# KiCad board dizzy40.kicad_pcb
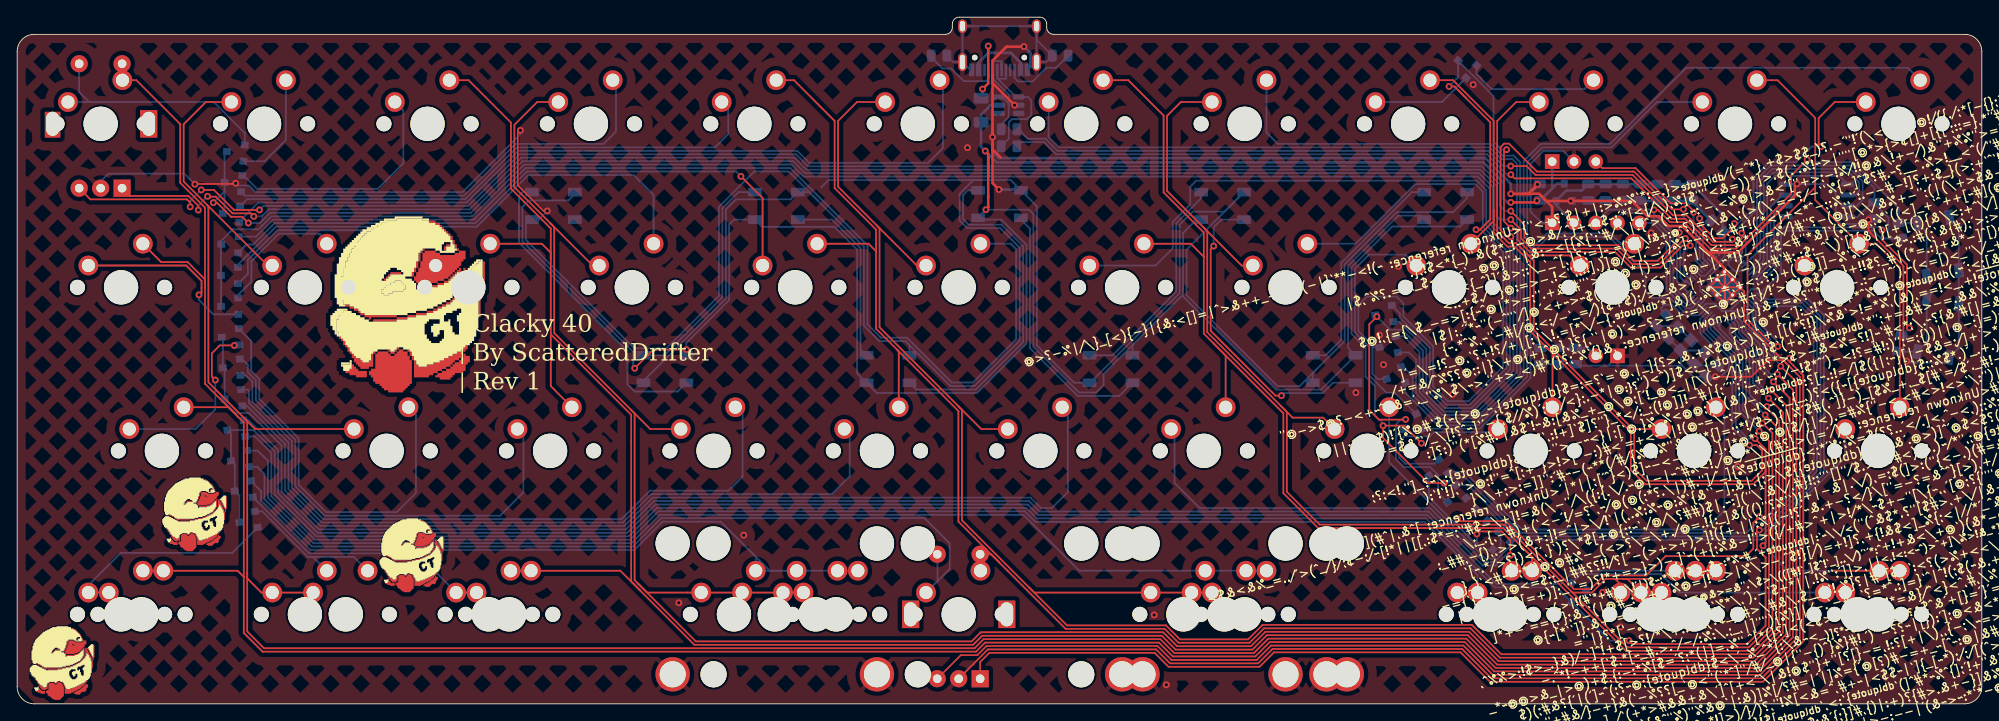
[diagram p0: board, top side]
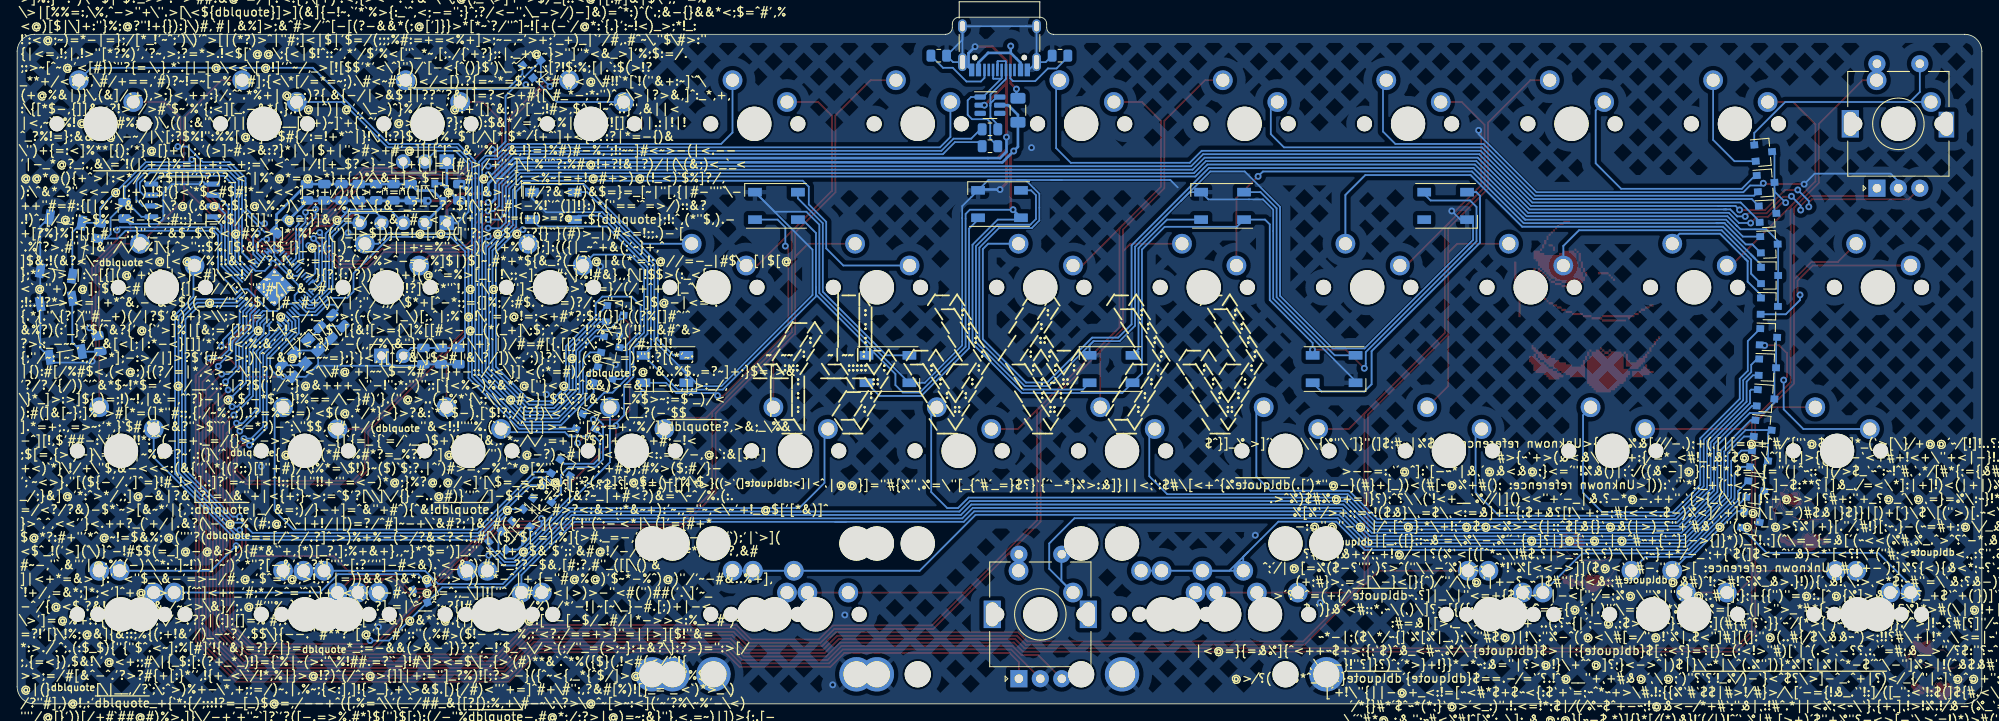
[diagram p1: board, bottom side, seen from below]

Outline 229 x 80 mm; copper layers: Top, Bottom. Coordinates in mm from the lower left corner of the outline.
Outline path: 0,76 arc(0.59,77.41) 2,78 108.2,78 arc(108.77,78.23) 109,78.8 109,79.2 arc(109.23,79.77) 109.8,80 119.2,80 arc(119.77,79.77) 120,79.2 120,78.8 arc(120.23,78.23) 120.8,78 227,78 arc(228.41,77.41) 229,76 229,2 arc(228.41,0.59) 227,0 2,0 arc(0.59,0.59) 0,2 0,76
Stack: Top 0.035mm / dielectric 1.51mm FR4 er 4.5 / Bottom 0.035mm

## Placement (name value [footprint] x y rotation side)
C1  10u  [C_0805_2012Metric]  177.47 59.61 90 bottom
C2  22pf  [C_0805_2012Metric]  197.52 38.78 225 bottom
C3  22pf  [C_0805_2012Metric]  193.06 43.24 225 bottom
C4  10u  [C_0805_2012Metric]  185.14 59.61 270 bottom
C5  100n  [C_0805_2012Metric]  216.49 57.5 270 bottom
C6  100n  [C_0805_2012Metric]  179.6 40.52 270 bottom
C7  100n  [C_0805_2012Metric]  177.56 40.52 270 bottom
C8  1u  [C_0805_2012Metric]  181.65 40.52 270 bottom
C9  100n  [C_0805_2012Metric]  195.22 59.61 270 bottom
C10  1u  [C_0805_2012Metric]  198.1 55.62 135 bottom
C11  100n  [C_0805_2012Metric]  189.18 59.61 270 bottom
C12  100n  [C_0805_2012Metric]  187.16 59.61 270 bottom
C13  100n  [C_0805_2012Metric]  191.19 59.61 270 bottom
C14  100n  [C_0805_2012Metric]  193.2 59.61 270 bottom
C17  10u  [C_0805_2012Metric]  183.12 59.61 270 bottom
D17  BAV70  [SOT-23]  25.45 64.25 175 bottom
D18  BAV70  [SOT-23]  25.17 60.68 176 bottom
D19  BAV70  [SOT-23]  24.95 57.1 177 bottom
D20  BAV70  [SOT-23]  159.79 41.71 190 bottom
D21  BAV70  [SOT-23#2]  168.73 74.29 140 bottom
D22  BAV70  [SOT-23]  160.59 38.1 195 bottom
D23  BAV70  [SOT-23]  24.77 46.32 181 bottom
D24  BAV70  [SOT-23]  24.74 49.91 180 bottom
D25  BAV70  [SOT-23]  24.8 53.52 178 bottom
D26  BAV70  [SOT-23]  159.31 45.37 185 bottom
D27  BAV70  [SOT-23]  162.56 32.49 205 bottom
D28  BAV70  [SOT-23]  167.53 24.12 218 bottom
D29  BAV70  [SOT-23]  24.86 42.74 182 bottom
D30  BAV70  [SOT-23]  24.98 39.19 182 bottom
D31  BAV70  [SOT-23]  25.18 35.59 184 bottom
D32  BAV70  [SOT-23#2]  172.65 18.74 230 bottom
D33  BAV70  [SOT-23]  165.38 27.12 213 bottom
D34  BAV70  [SOT-23]  169.93 21.31 223 bottom
D35  BAV70  [SOT-23]  26.89 21.32 190 bottom
D36  BAV70  [SOT-23]  26.35 24.91 187 bottom
D37  BAV70  [SOT-23]  25.91 28.44 187 bottom
D38  BAV70  [SOT-23]  25.5 31.99 186 bottom
D39  BAV70  [SOT-23]  181.61 12.74 245 bottom
ENC1  RotaryEncoder_Switch  [RotaryEncoder_Alps_EC11E-Switch_Vertical_H20mm#2]  9.73 67.58 90 bottom
ENC2  RotaryEncoder_Switch  [RotaryEncoder_Alps_EC11E-Switch_Vertical_H20mm]  109.74 10.43 90 bottom
F0  polyfuse  [Fuse_1206_3216Metric]  112.35 69.16 270 bottom
J0  USB_C_Receptacle_USB2.0  [USB_C_Receptacle_HRO_TYPE-C-31-M-12]  114.5 77.9 0 bottom
J1  BREAKOUT  [PinSocket_1x05_P2.54mm_Vertical]  178.92 56.04 270 bottom
J2  Conn_01x03_Male  [PinSocket_1x03_P2.54mm_Vertical]  178.92 63.18 270 bottom
J3  Screw_Terminal_01x02  [STAB_MX_P_2u]  88.31 10.43 180 top
J4  Breakout 1.1v  [PinSocket_1x02_P2.54mm_Vertical]  186.54 40.54 90 bottom
J5  Screw_Terminal_01x02  [STAB_MX_P_2u#2]  93.07 10.43 180 top
J6  Screw_Terminal_01x02  [STAB_MX_P_2u#3]  135.94 10.43 180 top
J7  Screw_Terminal_01x02  [STAB_MX_P_2u]  140.7 10.43 180 top
J8  Screw_Terminal_01x02  [STAB_MX_P_2u]  143.08 10.43 180 top
K1  KEYSW  [SW_MX_1u]  9.73 67.58 0 top
K2  KEYSW  [SW_MX_1u]  28.78 67.58 0 top
K3  KEYSW  [SW_MX_1u]  47.83 67.58 0 top
K4  KEYSW  [SW_MX_1u]  66.88 67.58 0 top
K5  KEYSW  [SW_MX_1u]  85.93 67.58 0 top
K6  KEYSW  [SW_MX_1u]  104.98 67.58 0 top
K7  KEYSW  [SW_MX_1u]  124.03 67.58 0 top
K8  KEYSW  [SW_MX_1u]  143.08 67.58 0 top
K9  KEYSW  [SW_MX_1u]  162.13 67.58 0 top
K10  KEYSW  [SW_MX_1u]  181.18 67.58 0 top
K11  KEYSW  [SW_MX_1u]  200.23 67.58 0 top
K12  KEYSW  [SW_MX_1u]  12.11 48.53 0 top
K13  KEYSW  [SW_MX_1u]  33.54 48.53 0 top
K14  KEYSW  [SW_MX_1u]  52.59 48.53 0 top
K15  KEYSW  [SW_MX_1u]  71.64 48.53 0 top
K16  KEYSW  [SW_MX_1u]  90.69 48.53 0 top
K17  KEYSW  [SW_MX_1u]  109.74 48.53 0 top
K18  KEYSW  [SW_MX_1u]  128.79 48.53 0 top
K19  KEYSW  [SW_MX_1u]  147.84 48.53 0 top
K20  KEYSW  [SW_MX_1u]  166.89 48.53 0 top
K21  KEYSW  [SW_MX_1u]  185.94 48.53 0 top
K22  KEYSW  [SW_MX_1u]  212.14 48.53 0 top
K23  KEYSW  [SW_MX_1u]  16.87 29.48 0 top
K24  KEYSW  [SW_MX_1u]  43.07 29.48 0 top
K25  KEYSW  [SW_MX_1u]  62.12 29.48 0 top
K26  KEYSW  [SW_MX_1u]  81.17 29.48 0 top
K27  KEYSW  [SW_MX_1u]  100.22 29.48 0 top
K28  KEYSW  [SW_MX_1u]  119.27 29.48 0 top
K29  KEYSW  [SW_MX_1u]  138.32 29.48 0 top
K30  KEYSW  [SW_MX_1u]  157.37 29.48 0 top
K31  KEYSW  [SW_MX_1u]  176.42 29.48 0 top
K32  KEYSW  [SW_MX_1u]  195.47 29.48 0 top
K33  KEYSW  [SW_MX_1u]  216.9 29.48 0 top
K34  KEYSW  [SW_MX_1u]  12.11 10.43 0 top
K35  KEYSW  [SW_MX_1u]  33.54 10.43 0 top
K36  KEYSW  [SW_MX_1u]  57.35 10.43 0 top
K37  KEYSW  [SW_MX_1u]  83.55 10.43 0 top
K38  KEYSW  [SW_MX_1u]  109.74 10.43 0 top
K39  KEYSW  [SW_MX_1u]  135.94 10.43 0 top
K40  KEYSW  [SW_MX_1u]  174.04 10.43 0 top
K41  KEYSW  [SW_MX_1u]  193.09 10.43 0 top
K42  KEYSW  [SW_MX_1u]  216.9 10.43 0 top
K45  KEYSW  [SW_MX_1u]  95.45 10.43 0 top
K46  KEYSW  [SW_MX_1u]  88.31 10.43 0 top
K49  KEYSW  [SW_MX_1u]  214.52 10.43 0 top
K50  KEYSW  [SW_MX_1u]  190.7 10.43 0 top
K51  KEYSW  [SW_MX_1u]  14.49 10.43 0 top
K52  KEYSW  [SW_MX_1u]  38.3 10.43 0 top
K53  KEYSW  [SW_MX_1u]  54.97 10.43 0 top
K54  KEYSW  [SW_MX_1u]  93.07 10.43 0 top
K55  KEYSW  [SW_MX_1u]  140.7 10.43 0 top
K56  KEYSW  [SW_MX_1u]  171.65 10.43 0 top
K57  KEYSW  [SW_MX_1u]  143.08 10.43 0 top
K58  KEYSW  [SW_MX_1u]  195.47 10.43 0 top
K59  KEYSW  [SW_MX_1u]  219.28 67.58 0 top
R1  1k  [R_0805_2012Metric]  219.46 41.97 260 bottom
R3  27  [R_0805_2012Metric]  115.61 64.97 0 bottom
R4  27  [R_0805_2012Metric]  115.61 66.94 0 bottom
R5  1k  [R_0805_2012Metric]  191.63 44.65 225 bottom
R6  5.1k  [R_0805_2012Metric]  121.58 75.52 180 bottom
R7  5.1k  [R_0805_2012Metric]  107.45 75.52 0 bottom
R8  10k  [R_0805_2012Metric]  219.48 55.11 280 bottom
REF**  -  [Clacktales_9mm_whiteSilk]  20.7 22.58 0 top
REF**#2  -  [Clacktales_9mm_whiteSilk]  46.02 17.8 0 top
REF**#3  -  [Clacktales_9mm_whiteSilk]  5.25 5.25 0 top
REF**#4  Clacktales_21mm_blackSilk  [Clacktales_21mm_whiteSilk_withoutOutline]  46.25 47.04 0 top
RGB1  WS2812B  [LED_WS2812B-PLCC4]  166.5 58.02 0 bottom
RGB2  WS2812B  [LED_WS2812B-PLCC4]  153.5 39.01 180 bottom
RGB3  WS2812B  [LED_WS2812B-PLCC4]  140.5 58.02 0 bottom
RGB4  WS2812B  [LED_WS2812B-PLCC4]  127.5 39.01 180 bottom
RGB5  WS2812B  [LED_WS2812B-PLCC4]  114.5 58.23 0 bottom
RGB6  WS2812B  [LED_WS2812B-PLCC4]  101.5 39.01 0 bottom
RGB7  WS2812B  [LED_WS2812B-PLCC4]  88.5 58.02 0 bottom
RGB8  WS2812B  [LED_WS2812B-PLCC4]  75.5 39.01 180 bottom
RGB9  WS2812B  [LED_WS2812B-PLCC4]  62.5 58.02 180 bottom
SW0  RESET  [SW_SPST_TL3342]  223.89 43.8 80 bottom
SW2  RESET  [SW_SPST_TL3342]  223.89 53.27 100 bottom
U2  W25Q128JVS  [SOIC-8_5.23x5.23mm_P1.27mm]  209.75 58.65 0 bottom
U3  RP2040  [RP2040-QFN-56]  199.02 48.53 135 bottom
U4  XC6206P Smaller footprint, less mA ~.5  [SOT-23]  180.32 59.61 90 bottom
U44  SRV05-4  [SOT-23-6]  115.61 69.75 180 bottom
Y0  12MHZ Crystal  [Crystal_SMD_3225-4Pin_3.2x2.5mm]  195.29 41.01 315 bottom

## Library data of the parts
C1 C4 C17 = -: Description: Unpolarized capacitor; LCSC: C91245
C2 C3 = -: Description: Unpolarized capacitor; LCSC: C1804
C5-C7 C9 C11-C14 = -: Description: Unpolarized capacitor; LCSC: C49678
C8 C10 = -: Description: Unpolarized capacitor; LCSC: C28323
D17-D39 = -: Description: Dual 100V 215mA high-speed switching diodes, common cathode, SOT-23
ENC1 ENC2 = -: Description: Rotary encoder, dual channel, incremental quadrate outputs, with switch
F0 = -: Description: Resettable fuse, polymeric positive temperature coefficient, small symbol; LCSC: C69688
J0 = -: Description: USB 2.0-only Type-C Receptacle connector; LCSC: C165948
J1 = -: Description: Generic connector, single row, 01x05, script generated (kicad-library-utils/schlib/autogen/connector/)
J2 = -: Description: Generic connector, single row, 01x03, script generated (kicad-library-utils/schlib/autogen/connector/)
J3 J5-J8 = -: Description: Generic screw terminal, single row, 01x02, script generated (kicad-library-utils/schlib/autogen/connector/)
J4 = -: Description: Generic connector, single row, 01x02, script generated (kicad-library-utils/schlib/autogen/connector/)
R1 R5 = -: Description: Resistor; LCSC: C115316
R3 R4 = -: Description: Resistor; LCSC: C104170
R6 R7 = -: Description: Resistor, small symbol; LCSC: C27834
R8 = -: Description: Resistor; LCSC: C115309
RGB1-RGB9 = -: Description: RGB LED with integrated controller; LCSC: C965555
SW0 = -: LCSC: C2886894
SW2 = -: Description: Push button switch, generic, two pins; LCSC: C2886894
U2 = -: Description: 128Mb Serial Flash Memory, Standard/Dual/Quad SPI, SOIC-8; LCSC: C97521
U3 = -: LCSC: C2040
U4 = -: Description: Positive 60-250mA Low Dropout Regulator, Fixed Output, SOT-23; LCSC: C347376
U44 = -: Description: ESD Protection Diodes with Low Clamping Voltage, SOT-23-6; LCSC: C85364
Y0 = -: Description: Four pin crystal, GND on pins 2 and 4; LCSC: C9002

## Footprints (pads in the part's own frame, mm; a bottom-side part is the same pattern mirrored in y, then rotated)
C_0805_2012Metric
  rrect 1x1.45 smd: 1(-0.95,0) 2(0.95,0)
Crystal_SMD_3225-4Pin_3.2x2.5mm
  rect 1.4x1.2 smd: 1(-1.1,-0.85) 2(1.1,-0.85) 3(1.1,0.85) 4(-1.1,0.85)
Fuse_1206_3216Metric
  rrect 1.25x1.75 smd: 1(-1.4,0) 2(1.4,0)
LED_WS2812B-PLCC4
  rect 1.6x1 smd: 1(-2.5,1.6) 2(-2.5,-1.6) 3(2.5,-1.6) 4(2.5,1.6)
PinSocket_1x02_P2.54mm_Vertical
  rect 1.7x1.7 hole 1: 1(0,0)
  oval 1.7x1.7 hole 1: 2(0,-2.54)
PinSocket_1x03_P2.54mm_Vertical
  rect 1.7x1.7 hole 1: 1(0,0)
  oval 1.7x1.7 hole 1: 2(0,-2.54) 3(0,-5.08)
PinSocket_1x05_P2.54mm_Vertical
  rect 1.7x1.7 hole 1: 1(0,0)
  oval 1.7x1.7 hole 1: 2(0,-2.54) 3(0,-5.08) 4(0,-7.62) 5(0,-10.16)
R_0805_2012Metric
  rrect 1.025x1.4 smd: 1(-0.912,0) 2(0.912,0)
RotaryEncoder_Alps_EC11E-Switch_Vertical_H20mm
  rect 2x2 hole 1: A(-7.5,2.5)
  round 2 hole 1: B(-7.5,-2.5) C(-7.5,0) S1(7,-2.5) S2(7,2.5)
  rect 3.2x2 hole 2.8x1.5: MP(0,-5.6) MP(0,5.6)
RotaryEncoder_Alps_EC11E-Switch_Vertical_H20mm#2
  rect 2x2 hole 1: A(-7.5,2.5)
  round 2 hole 1: B(-7.5,-2.5) C(-7.5,0) S1(7,-2.5) S2(7,2.5)
  rect 3x1.8 hole 2.8x1.5: MP(0,-5.6)
  rect 3.2x2 hole 2.8x1.5: MP(0,5.6)
RP2040-QFN-56
  rrect 1.084x1.084 smd: (-0.637,-0.637) (-0.637,0.637) (0.637,-0.637) (0.637,0.637)
  rrect 0.875x0.2 smd: 1(-3.438,2.6) 2(-3.438,2.2) 3(-3.438,1.8) 4(-3.438,1.4) 5(-3.438,1) 6(-3.438,0.6) 7(-3.438,0.2) 8(-3.438,-0.2) 9(-3.438,-0.6) 10(-3.438,-1) 11(-3.438,-1.4) 12(-3.438,-1.8) 13(-3.438,-2.2) 14(-3.438,-2.6) 29(3.438,-2.6) 30(3.438,-2.2) 31(3.438,-1.8) 32(3.438,-1.4) 33(3.438,-1) 34(3.438,-0.6) 35(3.438,-0.2) 36(3.438,0.2) 37(3.438,0.6) 38(3.438,1) 39(3.438,1.4) 40(3.438,1.8) 41(3.438,2.2) 42(3.438,2.6)
  rrect 0.2x0.875 smd: 15(-2.6,-3.438) 16(-2.2,-3.438) 17(-1.8,-3.438) 18(-1.4,-3.438) 19(-1,-3.438) 20(-0.6,-3.438) 21(-0.2,-3.438) 22(0.2,-3.438) 23(0.6,-3.438) 24(1,-3.438) 25(1.4,-3.438) 26(1.8,-3.438) 27(2.2,-3.438) 28(2.6,-3.438) 43(2.6,3.438) 44(2.2,3.438) 45(1.8,3.438) 46(1.4,3.438) 47(1,3.438) 48(0.6,3.438) 49(0.2,3.438) 50(-0.2,3.438) 51(-0.6,3.438) 52(-1,3.438) 53(-1.4,3.438) 54(-1.8,3.438) 55(-2.2,3.438) 56(-2.6,3.438)
  round 0.6 hole 0.35: 57(-1.275,-1.275) 57(-1.275,0) 57(-1.275,1.275) 57(0,-1.275) 57(0,0) 57(0,1.275) 57(1.275,-1.275) 57(1.275,0) 57(1.275,1.275)
  rrect 3.2x3.2 smd: 57(0,0)
SOIC-8_5.23x5.23mm_P1.27mm
  rrect 1.6x0.6 smd: 1(-3.6,1.905) 2(-3.6,0.635) 3(-3.6,-0.635) 4(-3.6,-1.905) 5(3.6,-1.905) 6(3.6,-0.635) 7(3.6,0.635) 8(3.6,1.905)
SOT-23
  rect 0.9x0.8 smd: 1(-1,0.95) 2(-1,-0.95) 3(1,0)
SOT-23#2
  rect 0.9x0.8 smd: 1(-1,0.95) 2(-1,-0.95) 3(1,0)
SOT-23-6
  rrect 1.325x0.6 smd: 1(-1.137,0.95) 2(-1.137,0) 3(-1.137,-0.95) 4(1.137,-0.95) 5(1.137,0) 6(1.137,0.95)
STAB_MX_P_2u
  round 3.988 hole 3.988 unplated: (-11.906,-8.255) (11.906,-8.255)
  round 4 hole 3.048: 1(-11.906,6.985) 2(11.906,6.985)
STAB_MX_P_2u#2
  round 3.048 hole 3.048 unplated: (-11.906,6.985) (11.906,6.985)
  round 3.988 hole 3.988 unplated: (-11.906,-8.255) (11.906,-8.255)
STAB_MX_P_2u#3
  round 3.988 hole 3.988 unplated: (-11.906,-8.255) (11.906,-8.255)
  round 3.048 hole 3.048 unplated: (11.906,6.985)
  round 4 hole 3.048: 1(-11.906,6.985)
SW_MX_1u
  round 1.75 hole 1.75 unplated: (-5.08,0) (5.08,0)
  round 3.988 hole 3.988 unplated: (0,0)
  round 2.3 hole 1.524: 1(-3.81,2.54) 2(2.54,5.08)
SW_SPST_TL3342
  rect 1.7x1 smd: 1(-3.15,1.9) 1(3.15,1.9) 2(-3.15,-1.9) 2(3.15,-1.9)
USB_C_Receptacle_HRO_TYPE-C-31-M-12
  round 0.65 hole 0.65 unplated: (-2.89,2.6) (2.89,2.6)
  rect 0.6x1.45 smd: A1(-3.25,4.045) A4(-2.45,4.045) A9(2.45,4.045) A12(3.25,4.045) B1(3.25,4.045) B4(2.45,4.045) B9(-2.45,4.045) B12(-3.25,4.045)
  rect 0.3x1.45 smd: A5(-1.25,4.045) A6(-0.25,4.045) A7(0.25,4.045) A8(1.25,4.045) B5(1.75,4.045) B6(0.75,4.045) B7(-0.75,4.045) B8(-1.75,4.045)
  oval 1x1.6 hole 0.6x1.2: S1(-4.32,-1.05) S1(4.32,-1.05)
  oval 1x2.1 hole 0.6x1.7: S1(-4.32,3.13) S1(4.32,3.13)

## Nets
+1V1: C6.1 C7.1 C8.1 J4.2 U3.23 U3.45 U3.50
+3V3: C4.1 C5.1 C9.1 C10.1 C11.1 C12.1 C13.1 C14.1 C17.1 J1.2 R8.2 U2.8 U3.1 U3.10 U3.22 U3.33 U3.42 U3.43 U3.44 U3.48 U3.49 U4.2
+5V: C1.1 F0.2 J2.1 RGB1.1 RGB2.1 RGB3.1 RGB4.1 RGB5.1 RGB6.1 RGB7.1 RGB8.1 RGB9.1 U4.3 U44.5
GND: C1.2 C2.2 C3.2 C4.2 C5.2 C6.2 C7.2 C8.2 C9.2 C10.2 C11.2 C12.2 C13.2 C14.2 C17.2 ENC1.C ENC2.C J0.A1 J0.A12 J0.B1 J0.B12 J0.S1 J1.1 J2.2 J3.1 J3.2 J4.1 J6.1 J7.1 J7.2 J8.1 J8.2 R6.2 R7.2 RGB1.3 RGB2.3 RGB3.3 RGB4.3 RGB5.3 RGB6.3 RGB7.3 RGB8.3 RGB9.3 SW0.1 SW2.1 U2.4 U3.19 U3.57 U4.1 U44.2 Y0.2 Y0.4
VBUS: F0.1 J0.A4 J0.A9 J0.B4 J0.B9
/MCU/GPIO26_ADC0: U3.38
/MCU/GPIO27_ADC1: U3.39
/MCU/GPIO28_ADC2: U3.40
/MCU/GPIO29_ADC3: U3.41
/MCU/QSPI_SCLK: U2.6 U3.52
/MCU/QSPI_SD0: U2.5 U3.53
/MCU/QSPI_SD1: U2.2 U3.55
/MCU/QSPI_SD2: U2.3 U3.54
/MCU/QSPI_SD3: U2.7 U3.51
/MCU/QSPI_SS: R1.1 U2.1 U3.56
/MCU/RUN: J1.3 R8.1 SW2.2 U3.26
/MCU/SWCLK: J1.5 U3.24
/MCU/SWD: J1.4 U3.25
/MCU/USB_D+: J0.A6 J0.B6 R3.1 U44.1
/MCU/USB_D-: J0.A7 J0.B7 R4.1 U44.6
/MCU/XIN: C2.1 U3.20 Y0.3
/MCU/XOUT: R5.1 U3.21
/MCU/~{USB_BOOT}: R1.2 SW0.2
COL0: ENC1.S2 K1.2 K12.2 K23.2 K34.2 K51.2 U3.8
COL1: K2.1 K13.1 K24.1 K35.1 K52.1 U3.9
COL2: K3.2 K14.2 K25.2 K36.2 K53.2 U3.11
COL3: K4.1 K15.1 K26.1 K37.1 K45.1 K46.1 K54.1 U3.12
COL4: ENC2.S2 K5.2 K16.2 K27.2 K38.2 U3.13
COL5: K6.1 K17.1 K28.1 K39.1 K55.1 K57.1 U3.14
COL6: K7.2 K18.2 K29.2 K40.2 K56.2 U3.15
COL7: K8.1 K19.1 K30.1 K41.1 K50.1 K58.1 U3.16
COL8: K9.2 K20.2 K31.2 K42.2 K49.2 U3.17
COL9: K10.1 K21.1 K32.1 U3.18
COL10: K11.2 K22.2 K33.2 U3.5
COL11: K59.1 U3.37
ENC_ESC_L: ENC1.A U3.29
ENC_ESC_R: ENC1.B U3.28
ENC_ROW_MID: D37.2 ENC2.S1 K38.1
ENC_ROW_TOP: D17.1 ENC1.S1 K1.1
ENC_SPC_L: ENC2.A U3.6
ENC_SPC_R: ENC2.B U3.7
LED_GLOW: J2.3 U3.36
RGB: RGB1.4 U3.3
ROW0: D17.3 D18.3 D19.3 D20.3 D21.3 D22.3 U3.30
ROW1: D23.3 D24.3 D25.3 D26.3 D27.3 D28.3 U3.35
ROW2: D29.3 D30.3 D31.3 D32.3 D33.3 D34.3 U3.4
ROW3: D35.3 D36.3 D37.3 D38.3 D39.3 U3.2
Net-(C3-Pad1): C3.1 R5.2 Y0.1
Net-(D17-A-Pad2): D17.2 K2.2
Net-(D18-A-Pad1): D18.1 K3.1
Net-(D18-A-Pad2): D18.2 K4.2
Net-(D19-A-Pad1): D19.1 K5.1
Net-(D19-A-Pad2): D19.2 K6.2
Net-(D20-A-Pad1): D20.1 K7.1
Net-(D20-A-Pad2): D20.2 K8.2
Net-(D21-A-Pad1): D21.1 K10.2
Net-(D21-A-Pad2): D21.2 K9.1
Net-(D22-A-Pad1): D22.1 K59.2
Net-(D22-A-Pad2): D22.2 K11.1
Net-(D23-A-Pad1): D23.1 K13.2
Net-(D23-A-Pad2): D23.2 K12.1
Net-(D24-A-Pad1): D24.1 K15.2
Net-(D24-A-Pad2): D24.2 K14.1
Net-(D25-A-Pad1): D25.1 K17.2
Net-(D25-A-Pad2): D25.2 K16.1
Net-(D26-A-Pad1): D26.1 K19.2
Net-(D26-A-Pad2): D26.2 K18.1
Net-(D27-A-Pad1): D27.1 K20.1
Net-(D27-A-Pad2): D27.2 K21.2
Net-(D28-A-Pad1): D28.1 K22.1
Net-(D29-A-Pad1): D29.1 K24.2
Net-(D29-A-Pad2): D29.2 K23.1
Net-(D30-A-Pad1): D30.1 K25.1
Net-(D30-A-Pad2): D30.2 K26.2
Net-(D31-A-Pad1): D31.1 K27.1
Net-(D31-A-Pad2): D31.2 K28.2
Net-(D32-A-Pad1): D32.1 K30.2
Net-(D32-A-Pad2): D32.2 K29.1
Net-(D33-A-Pad1): D33.1 K31.1
Net-(D33-A-Pad2): D33.2 K32.2
Net-(D34-A-Pad1): D34.1 K33.1
Net-(D35-A-Pad1): D35.1 K35.2 K52.2
Net-(D35-A-Pad2): D35.2 K34.1 K51.1
Net-(D36-A-Pad1): D36.1 K37.2 K45.2 K46.2 K54.2
Net-(D36-A-Pad2): D36.2 K36.1 K53.1
Net-(D37-A-Pad1): D37.1 K39.2 K55.2 K57.2
Net-(D38-A-Pad1): D38.1 K41.2 K50.2 K58.2
Net-(D38-A-Pad2): D38.2 K40.1 K56.1
Net-(D39-A-Pad1): D39.1 K42.1 K49.1
Net-(J0-CC1): J0.A5 R7.1
Net-(J0-CC2): J0.B5 R6.1
Net-(RGB1-DOUT): RGB1.2 RGB2.4
Net-(RGB2-DOUT): RGB2.2 RGB3.4
Net-(RGB3-DOUT): RGB3.2 RGB4.4
Net-(RGB4-DOUT): RGB4.2 RGB5.4
Net-(RGB5-DOUT): RGB5.2 RGB6.4
Net-(RGB6-DOUT): RGB6.2 RGB7.4
Net-(RGB7-DOUT): RGB7.2 RGB8.4
Net-(RGB8-DOUT): RGB8.2 RGB9.4
Net-(U3-USB_DM): R4.2 U3.46
Net-(U3-USB_DP): R3.2 U3.47

Pads without a net: D28 2; D34 2; D39 2; ENC1 MP; ENC2 MP; J0 A8 B8; RGB9 2; U3 27 31 32 34; U44 3 4

## Via types
v1: diameter 0.8, hole 0.4, Top to Bottom, 100 vias

## Routing (per net, layer and track width the routed paths; a pad name or vN(x,y) marks a point on that pad's centre or on a via; arc(x,y) is an arc through that point)
+1V1: length 58.7
  Bottom w0.2: C8.1 178.05,41.47 176.8,42.72 176.8,52.72 178.48,54.41 185.54,54.41 189.8,50.15 189.8,48.02 190.51,47.3 192.64,47.3 194.27,45.67 195.32,45.67 U3.23 196.66,47.01 196.66,47.61 196.19,48.08 196.19,48.76 199.06,51.62 199.57,51.62 ; C8.1 C7.1 ; C8.1 183.07,41.47 J4.2 ; U3.45 199.57,51.62 ; 199.57,51.62 199.46,51.51 199.46,51.13 200.15,50.44 201.22,50.44 U3.50
+3V3: length 113
  Bottom w0.2: 202.78,58.37 202.78,61.11 204.39,62.72 213.84,62.72 216.49,60.07 216.49,58.24 ; 202.78,58.37 202.78,52.57 202.24,52.03 ; 202.78,58.37 202.78,57.59 200.13,54.94 C10.1 ; U3.22 196.82,46.61 197.87,46.61 198.72,45.76 199.59,45.76 ; U3.10 200.37,45.76 199.59,45.76 ; 216.49,58.24 216.01,58.24 214.51,56.74 U2.8 ; 216.49,58.24 218.11,56.62 218.11,54.7 218.6,54.21 R8.2 217.28,54.21 216.37,55.12 206.11,55.12 205.58,54.59 205.58,50.22 U3.1 202.91,48.31 202.14,48.31 199.59,45.76 ; 199.03,52.79 199.03,52.16 196.74,49.87 196.26,49.87 U3.33 ; 202.24,52.03 U3.49 ; 202.24,52.03 201.59,51.38 U3.48
  Bottom w0.25: 199.03,52.79 U3.43 199.88,52.53 ; 199.03,52.79 199.03,54.69 C10.1 ; 199.03,52.79 198.46,52.79 198.45,52.81
  Bottom w0.3: J1.2 179.37,58.13 U4.2 180.57,59.81 182.37,59.81 C17.1 C9.1 198.77,57 C10.1
+5V: length 331.7
  Top w0.2: v1(78.02,41.27) 74.15,41.27 v1(71.98,39.1)
  Top w0.3: 113.19,61.5 113.19,64.05 v1(112.84,64.41) ; 113.19,61.5 113.19,63.74 ; 113.19,61.5 113.19,57.84 v1(112.92,57.57) ; v1(174.1,58.42) 176.94,58.42 v1(177.14,58.62)
  Bottom w0.2: v1(112.92,57.57) 117.96,57.57 118.45,57.08 118.45,41.6 123.78,36.27 125.77,36.27 126.63,37.14 126.63,38.43 127.73,39.53 127.74,39.53 130.17,41.96 ; v1(71.98,39.1) 71.81,39.27 71.81,40.98 59.44,53.35 ; 112,56.42 114.71,56.42 117.65,53.48 117.65,41.98 111.89,36.22 100.19,36.22 RGB6.1 97.9,38.51 97.9,52.92 95.25,55.58 86.84,55.58 RGB7.1 83.55,56.42 83,55.87 83,47.05 78,42.05 RGB8.1 78.02,40.63 v1(78.02,41.27) ; 130.17,41.96 130,41.79 RGB4.1 ; 130.17,41.96 135.9,47.69 135.9,48.56 ; RGB1.1 164,56.47 163.59,56.88 160.97,56.88 155.13,51.04 155.13,41.48 RGB2.1 152,36.61 146.75,36.61 135.9,47.46 135.9,48.56 ; 135.9,48.56 135.9,54.86 137.46,56.42 RGB3.1 ; 59.44,53.35 59.83,52.96 ; 59.44,53.35 58.9,53.89 58.9,57.9 59.65,58.65 64.25,58.65 65,59.4 RGB9.1
  Bottom w0.3: J2.1 178.92,60.05 177.72,58.85 ; RGB5.1 112.92,57.55 v1(112.92,57.57) ; 178.1,59.23 179.48,60.61 U4.3 ; 178.1,59.23 177.72,58.85 ; 178.1,59.23 177.49,58.62 v1(177.14,58.62) ; 177.72,58.85 177.27,58.85 177.28,58.85 C1.1 ; 114.01,69.75 113.48,69.75 112.35,68.62 F0.2 112.35,64.89 v1(112.84,64.41) 114.16,63.08 170.9,63.08 173.28,60.7 173.28,58.83 173.69,58.42 v1(174.1,58.42)
GND: length 872.4
  Top w0.2: v1(25.48,60.65) 25.39,60.57 20.74,60.57 v1(20.71,60.54) ; 207.79,17.81 207.79,7.44 203.32,2.98 171.83,2.98 168.41,6.4 146.32,6.4 144.64,4.72 134.37,4.72 132.75,6.34 113.14,6.34 109.74,2.93 ENC2.C ; 207.79,17.81 207.79,25.42 ; 207.79,17.81 207.79,18.16 ; v1(215.79,56.41) 215.79,55.08 219.86,51.01 219.86,40.32 v1(220.26,39.93) ; 207.79,25.81 207.79,25.42 ; v1(61.79,57.42) 61.36,57.42 58.35,60.43 58.35,66.52 v1(58.65,66.82) ; 206.47,39.41 205.85,40.03 204.06,40.03 202.13,38.11 v1(197.94,38.11) ; 206.47,39.41 207.79,38.09 207.79,25.42 ; 206.47,39.41 201.29,44.59 201.29,48.06 U3.57 ; U3.57 U3.57 ; U3.57 U3.57 ; U3.57 U3.57 ; U3.57 U3.57 ; U3.57 U3.57 ; U3.57 U3.57 ; U3.57 U3.57 ; U3.57 U3.57
  Top w0.3: 197.14,52.59 199.02,50.71 U3.57 ; 197.14,52.59 200.56,52.59 207.21,59.23 207.21,60.33 v1(207.46,60.58) ; 197.14,52.59 196.21,53.52 ; 196.21,53.52 194.06,55.67 192.48,55.67 191.34,56.81 190.01,56.81 188.22,58.6 v1(181.09,58.6) 178.23,58.6 177.6,59.22 177.72,59.1 ; 196.21,53.52 196.33,53.4 ; 114.66,63.65 113.69,64.62 113.69,65.14 ; 177.72,59.1 177.4,59.42 175.45,59.42 ; 177.72,59.1 178.92,57.9 J1.1 ; 113.69,73.27 113.69,66.59 ; 113.69,73.27 113.69,72.32 v1(116.26,69.75) ; 113.69,73.27 113.69,74.94 115.32,76.57 v1(117.35,76.57) ; 175.45,59.42 v1(174.1,59.42) ; 175.45,59.42 176.11,59.42 v1(177.21,60.52) ; v1(113.69,66.03) 113.69,66.59 ; 113.69,66.59 113.69,65.14 ; 113.69,65.14 113.69,60.66 v1(114.44,59.92)
  Bottom w0.2: v1(207.46,60.58) 206.17,60.58 U2.4 210.94,60.55 211.96,59.54 211.96,56.53 212.57,55.92 215.86,55.92 C5.2 216.35,56.41 v1(215.79,56.41) ; v1(197.94,38.11) 196.85,38.11 C2.2 ; J0.S1 111.09,73.85 J0.A1 ; J0.S1 109.11,74.77 R7.2 ; J0.S1 J0.S1 J0.S1 ; 103.54,42.26 108.76,37.03 111.57,37.03 116.85,42.31 116.85,53.14 114.57,55.43 110.73,55.43 109.85,56.31 109.85,59.43 111.46,61.03 112.42,61.03 ; 103.54,42.26 100.5,42.26 98.7,44.06 98.7,53.25 93.35,58.6 ; 103.54,42.26 104,41.8 RGB6.3 ; 151.41,38.94 154.73,42.26 154.73,51.2 160.8,57.28 167.36,57.28 169,58.92 RGB1.3 ; 151.41,38.94 151,38.53 RGB2.3 ; 151.41,38.94 149.48,37.01 146.92,37.01 136.3,47.63 136.3,52.91 RGB3.3 140.72,57.34 137.01,57.34 135.5,55.82 135.5,47.85 129.05,41.41 129.04,41.41 125.04,37.41 RGB4.3 123.21,37.41 118.85,41.77 118.85,57.98 RGB5.3 115.79,61.03 112.42,61.03 ; v1(58.65,66.82) 58.65,66.36 51.9,59.61 27.8,59.61 27.02,60.39 25.74,60.39 v1(25.48,60.65) ; 184.83,39.39 181.82,39.39 C8.2 C7.2 ; 184.83,39.39 194.07,39.39 194.45,39.01 ; 184.83,39.39 185.39,39.39 J4.1 ; 108.42,61.03 94.59,61.03 93.72,60.17 ; 108.42,61.03 112.42,61.03 ; 108.42,61.03 107.23,61.03 ; 93.35,58.6 89.93,62.02 85.92,62.02 81.8,57.91 81.8,47.54 75.66,41.41 71.95,41.41 59.3,54.06 59.3,56.42 RGB9.3 60.78,56.42 v1(61.79,57.42) ; 93.35,58.6 92.34,59.62 RGB7.3 ; 194.45,39.01 195.36,38.1 C2.2 ; 194.45,39.01 193.91,39.55 Y0.4 ; Y0.4 192.53,42.56 C3.2 ; Y0.4 193.93,41.17 196.33,41.17 Y0.2 ; J0.S1 118.82,77.36 R6.2 119.92,74.77 J0.S1 J0.S1 ; 176.4,58.51 176.4,57.32 177.68,56.04 J1.1 ; 176.4,58.51 176.4,59.48 C1.2 ; 176.4,58.51 176.4,62.91 177.92,64.43 180.2,64.43 J2.2 ; v1(220.26,39.93) 220.43,39.76 224.6,39.76 SW0.1 226.31,41.47 SW0.1 SW2.1 226.31,55.61 SW2.1 ; RGB7.3 90.15,58.77 83.79,58.77 82.6,57.57 82.6,47.21 73,37.61 RGB8.3 ; RGB7.3 91.41,59.62 ; ENC1.C 9.73,60.88 10.62,61.77 19.49,61.77 v1(20.71,60.54) ; C2.2 198.57,38.1 199.51,39.05 199.51,40.41 196.57,43.35 196.57,44.66 U3.19 ; U44.2 v1(116.26,69.75)